# Altium PCB CSUEAF4 - 副本.PcbDoc
Units mil, origin at the board's own origin, x right, y up, seen from the top; angles counter-clockwise.
Board outline 3947.04 x 3947.04 mil, 2 copper layers (Top Layer, Bottom Layer); 84 components, 107 nets, 444 pads, 133 vias.
Unrouted connection lines stored in the file: 65.
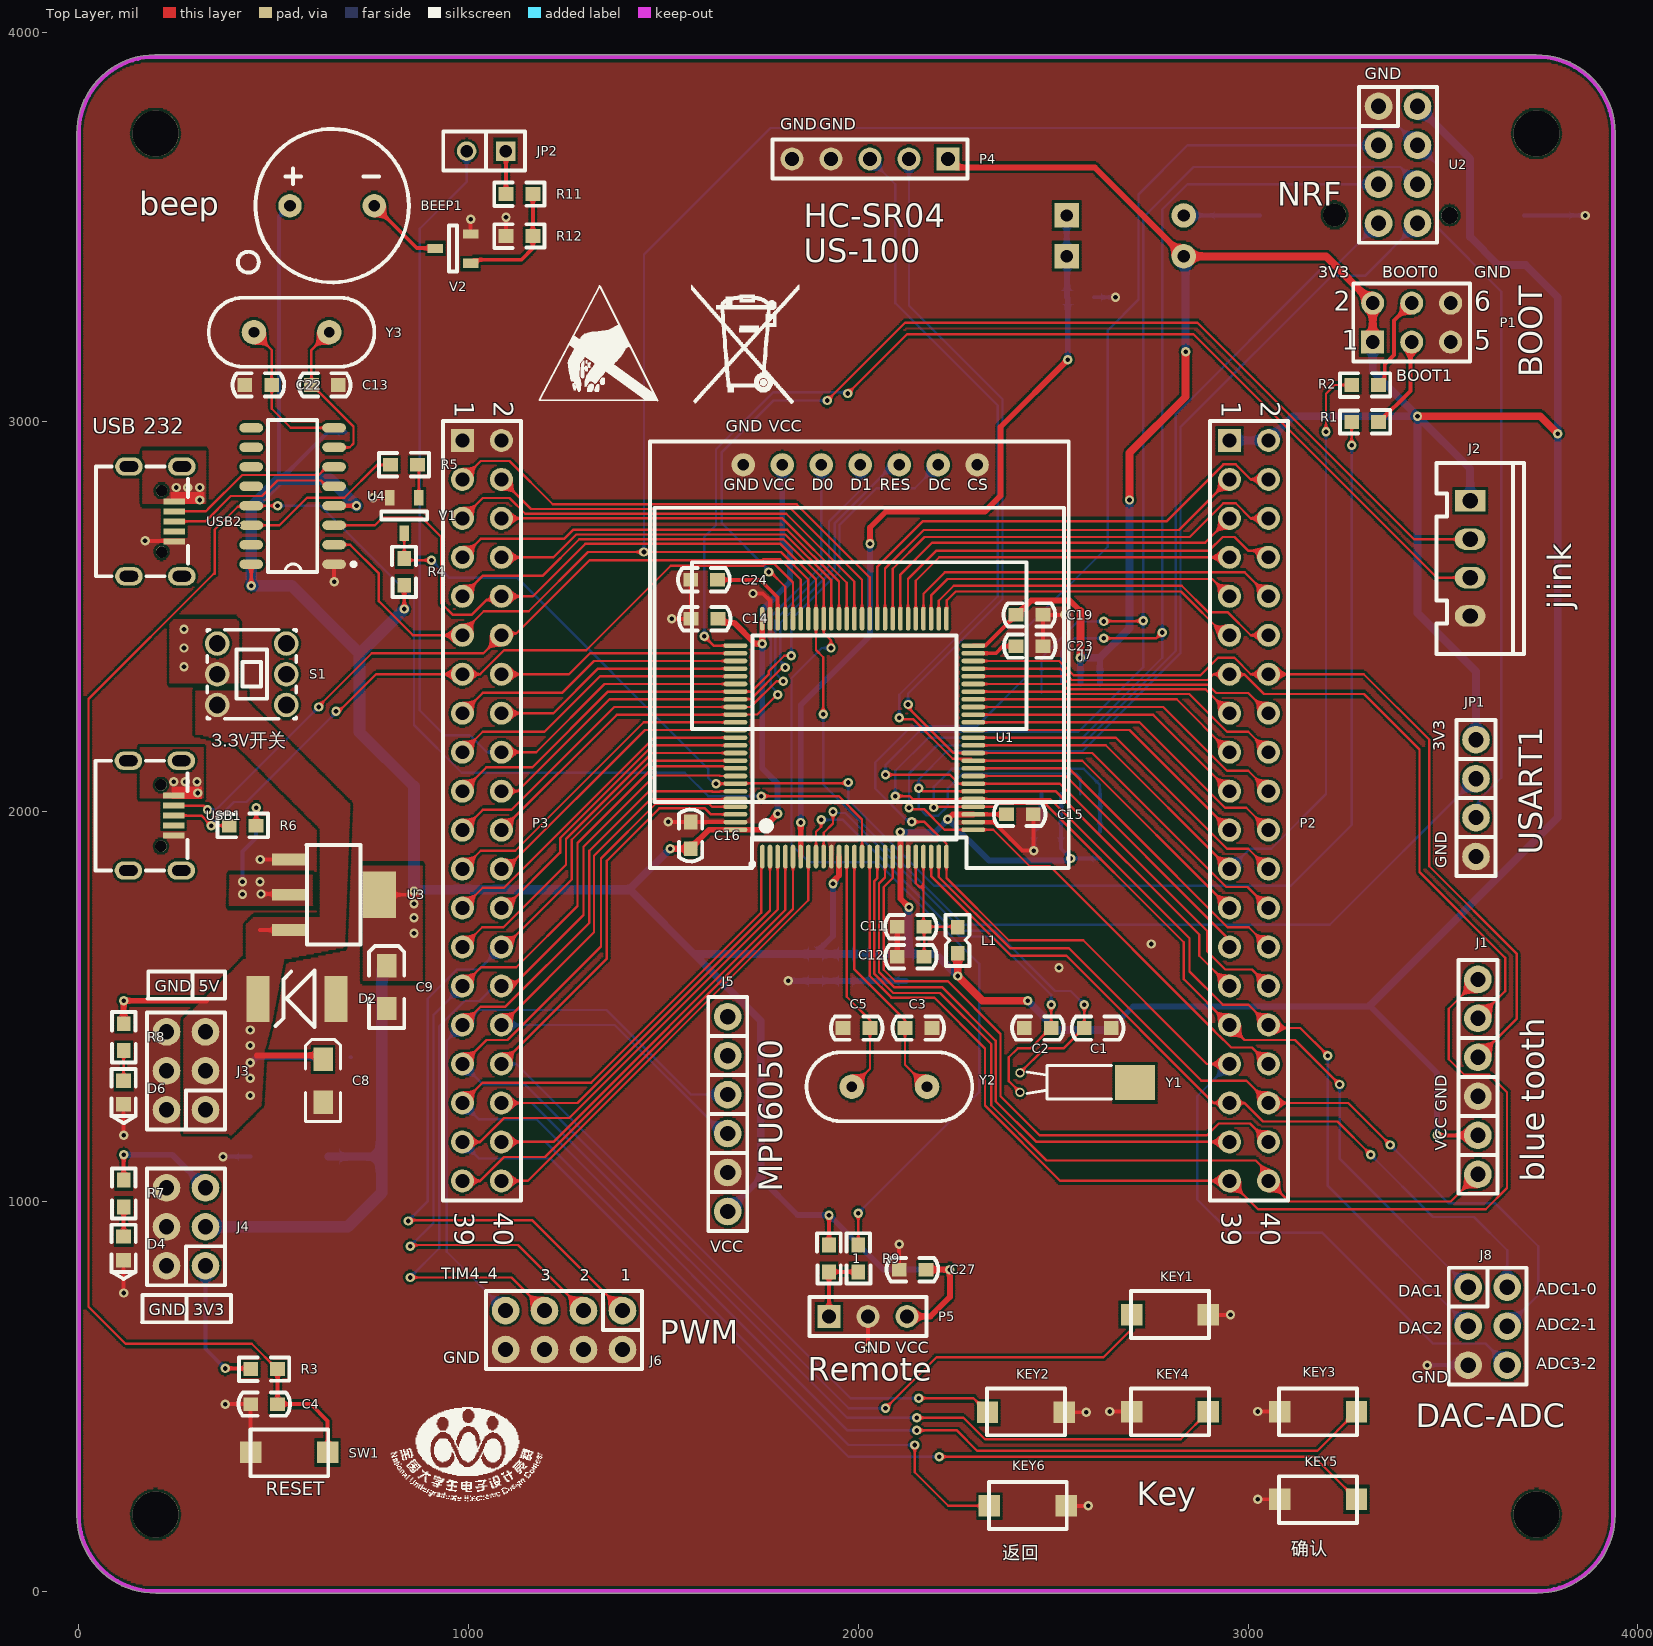
[diagram p0: Top Layer view]
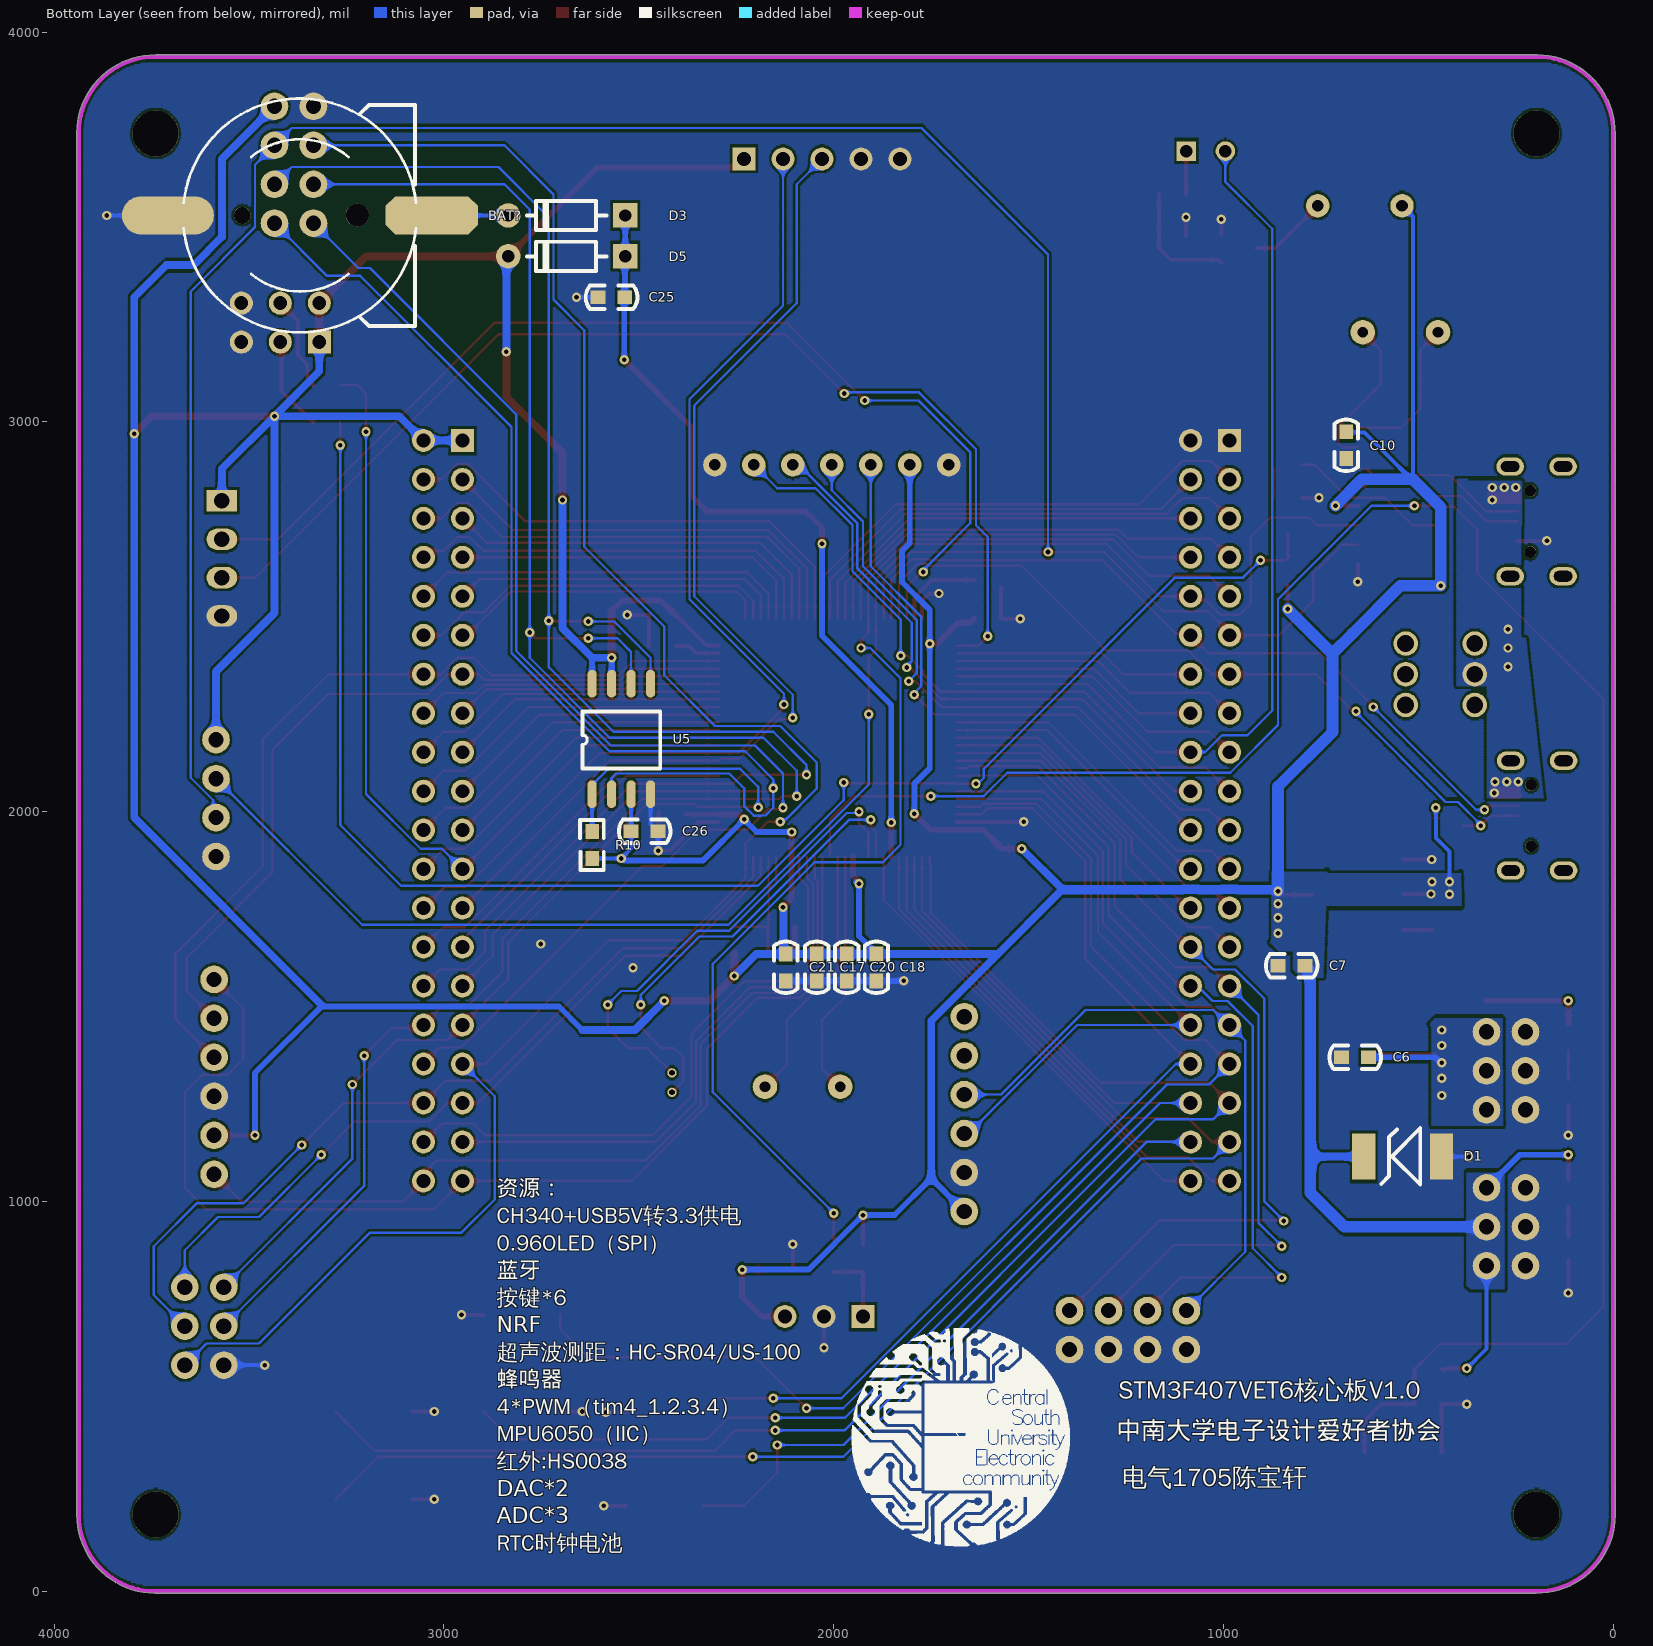
[diagram p1: Bottom Layer view, seen from below]
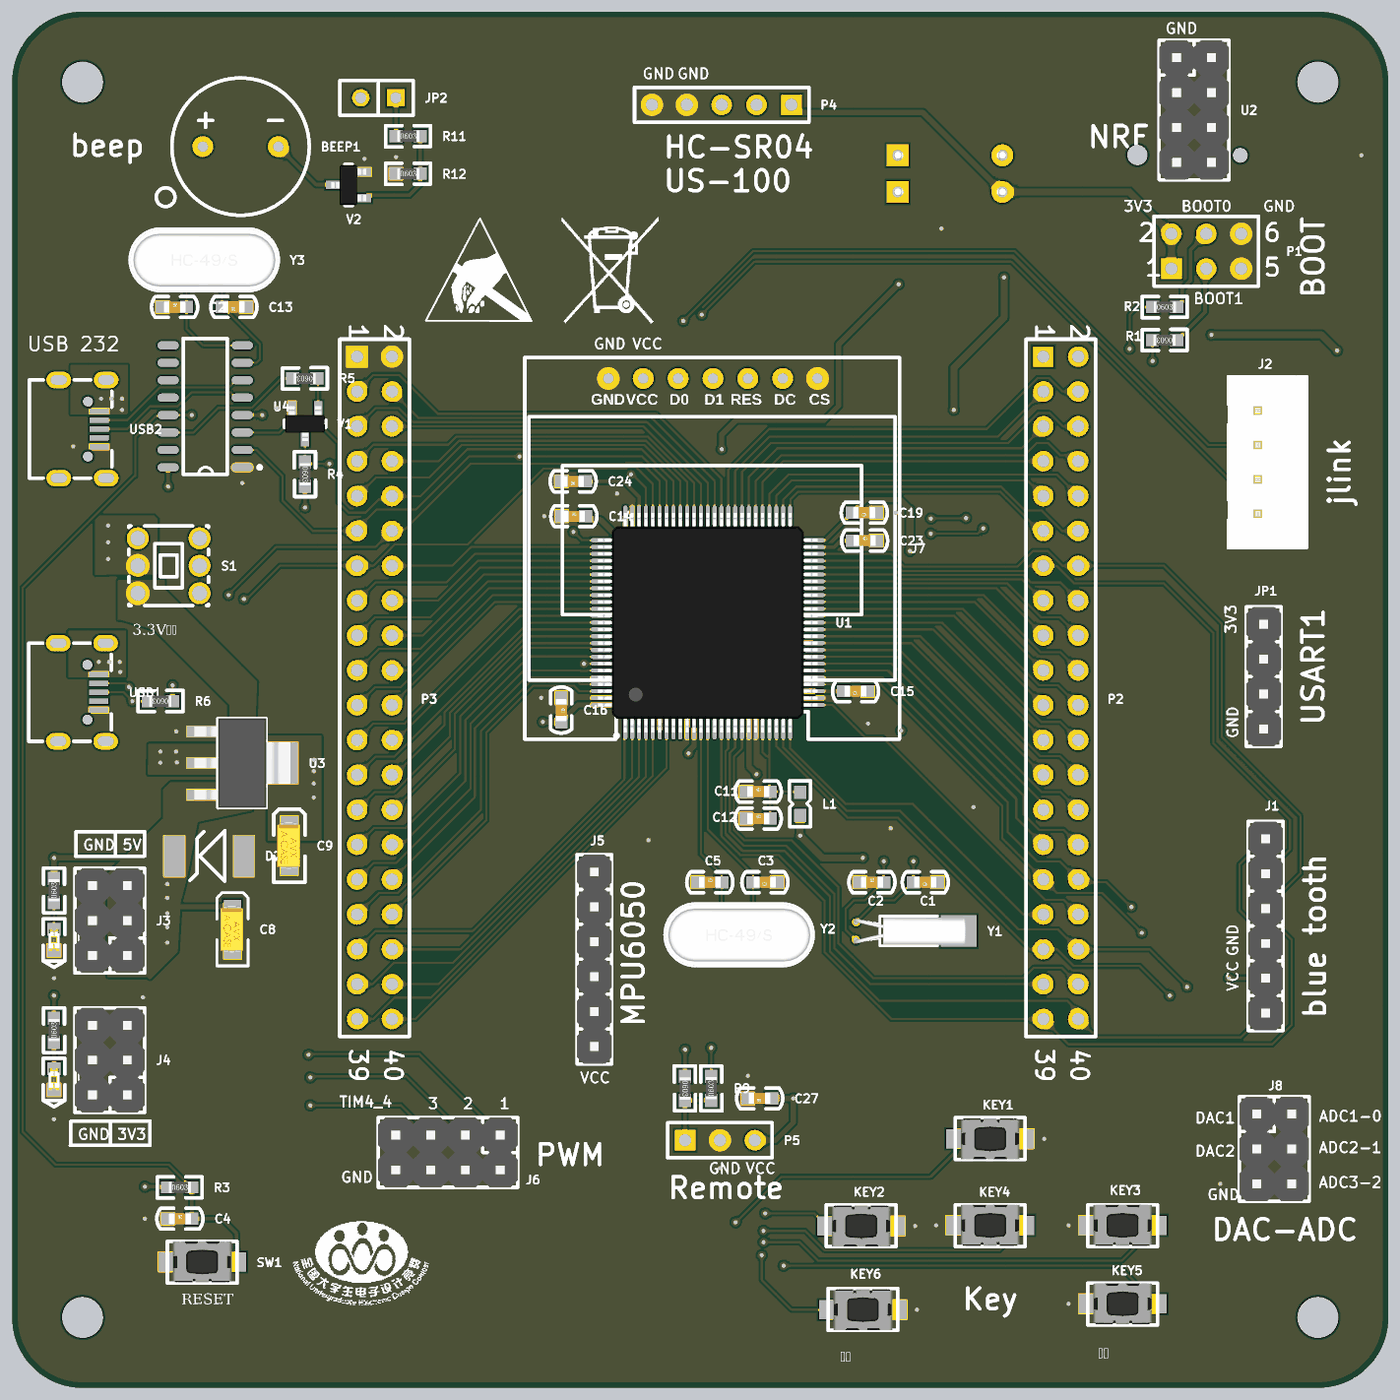
[diagram p2: 3D render of the assembled board from above, using the file's embedded part models]
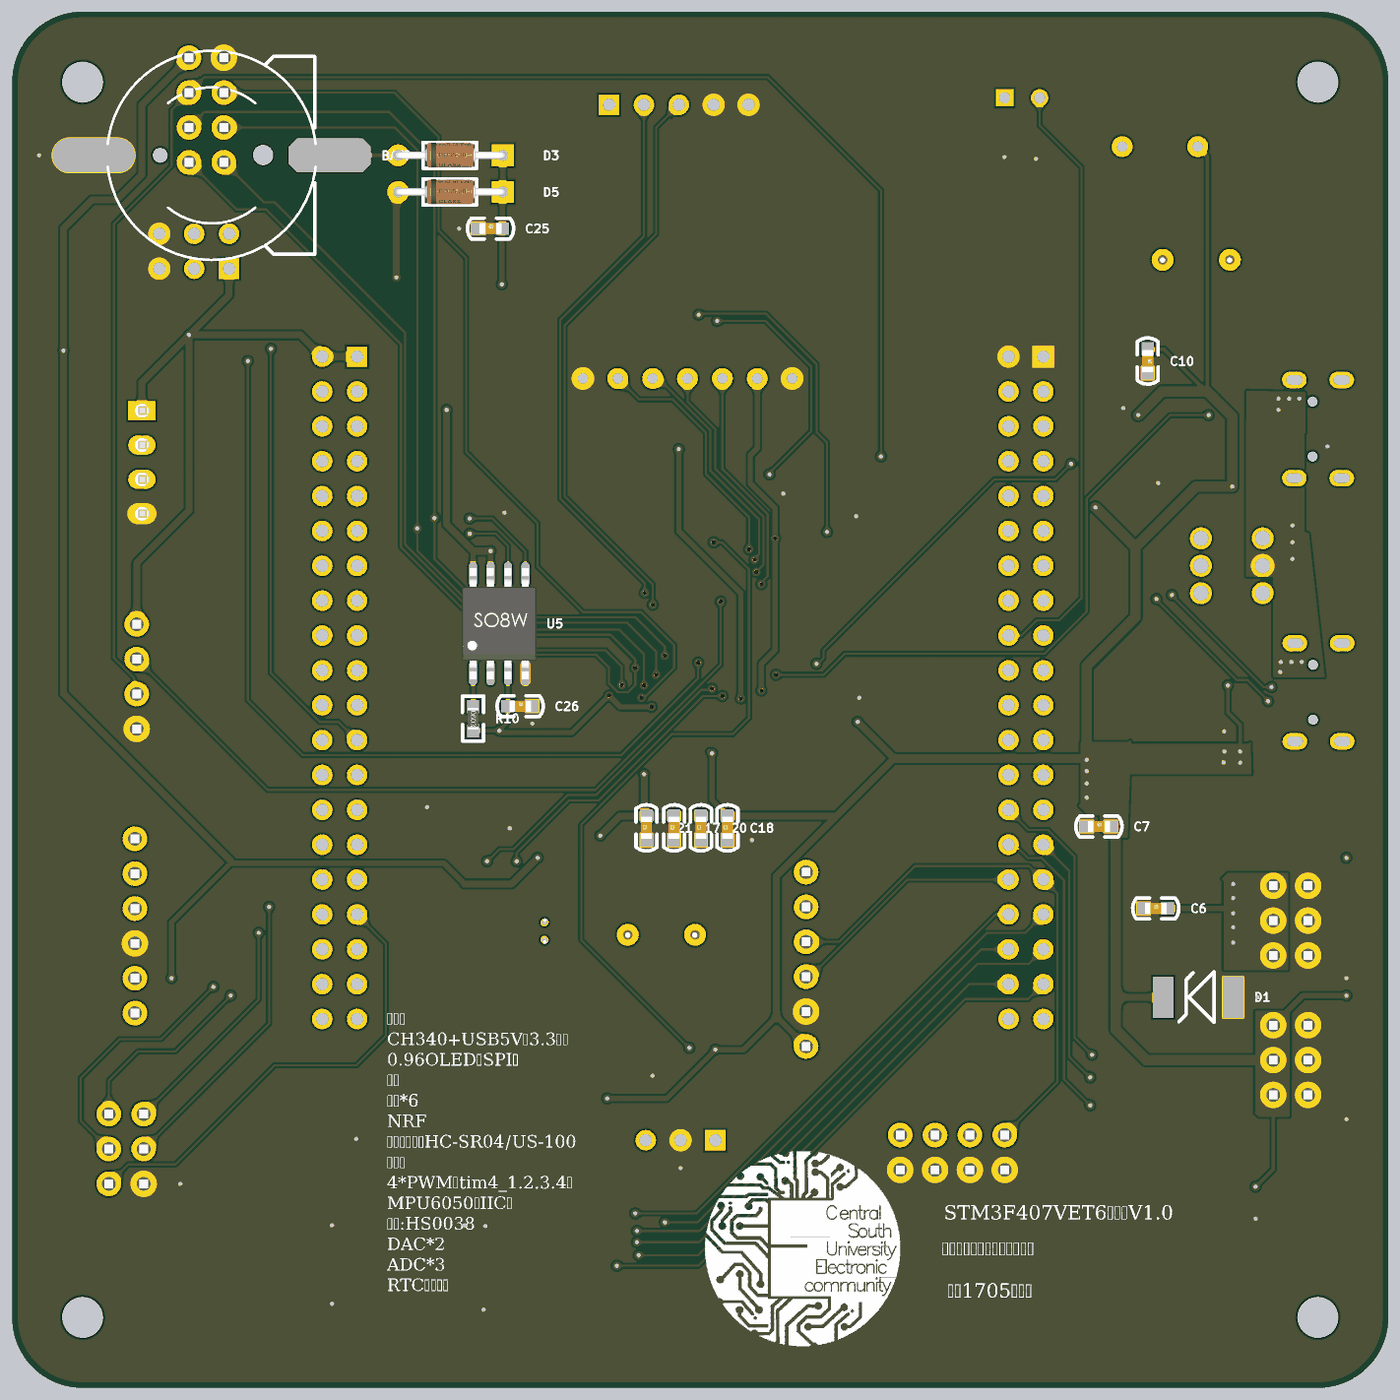
[diagram p3: 3D render of the assembled board from below, using the file's embedded part models]

## Layer stack, top to bottom
Top Solder: solder mask 0.4, Solder Resist, Dk 3.5
Top Layer: signal copper 1.4
Dielectric 1: dielectric 12.6, FR-4, Dk 4.8
Bottom Layer: signal copper 1.4
Bottom Solder: solder mask 0.4, Solder Resist, Dk 3.5

## Board outline
-5.01,194.97 cw(c0,195) -4.93,195.93 cw(c0,196.85) -5.01,196.85 -5.01,3739.98 cw(c196,3741) 194.97,3942.02 cw(c195,3937.01) 195.93,3941.94 cw(c196.85,3937.01) 196.85,3942.02 3739.98,3942.02 cw(c3741,3741) 3942.02,3742.03 cw(c3937.01,3742.01) 3942.02,3742.01 cw(c3937.01,3742.01) 3941.94,3741.08 cw(c3937.01,3740.16) 3942.02,3740.16 3942.02,197.03 ccw(c3741,196) 3942.02,197.03 cw(c3741,196) 3942.03,196 cw(c3741,196) 3742.03,-5.01 cw(c3742.01,0) 3741.08,-4.93 cw(c3740.16,0) 3740.16,-5.01 196.85,-5.01 197.03,-5.02 ccw(c197.01,0) 197.07,-5.01 197.03,-5.02 cw(c196,196)

## Design rules (kind name [scope] priority, off if disabled: settings)
Clearance ALL [All] p1: gap=6 ignorepadtopadclearanceinfootprint=FALSE
Clearance VIA-POLY [isvia vs inpolygon] p2: gap=6 ignorepadtopadclearanceinfootprint=FALSE
Clearance POLY [inpolygon] p3: gap=10 ignorepadtopadclearanceinfootprint=FALSE
PolygonConnect [InNetClass('POW')] p1: connectstyle=Direct reliefconductorwidth=18 reliefentries=4 polygonreliefangle="90 Angle" airgapwidth=10
RoutingVias [All] p1: holewidth=12 width=24 viastyle="Through Hole" minholewidth=12 minwidth=24 maxholewidth=12 maxwidth=24
SilkToSilkClearance [All] p1: silktosilkclearance=2
SilkToSolderMaskClearance [IsPad] p1: minsilkscreentomaskgap=2 clearancetoexposedcopper=TRUE
SolderMaskExpansion [All] p1: expansion=2.5
Width POW [InNetClass('POW')] p1: maxlimit=60 minlimit=15 preferedwidth=15
Width [All] p2: maxlimit=6 minlimit=6 preferedwidth=6
28 further rules are at their usual default settings.

## Classes and differential pairs
net class VCC: 3V3 5V VBAT VUSB
net class POW: 3V3 5V GND VBAT VUSB

## Components (designator, comment, footprint, x,y, rotation, side; value= is the part's Value field where it differs from the comment)
1 "电阻" R0603 1925,888.37 r270 top value=150R
BAT? "BATT" BATM 3370,3530 r90 bottom
BEEP1 "蜂鸣器" 蜂鸣器0905 650,3555 r0 top
C1 "15pF" C0603 2649,1445 r180 top value=22pF
C2 "15pF" C0603 2426,1445 r0 top value=22pF
C3 "22pF" C0603 2189,1445 r180 top
C4 "104" C0603 441,480 r0 top value=22pF
C5 "22pF" C0603 1961,1445 r0 top
C6 "电容104" C0603 696.91,1370 r180 bottom value=22pF
C7 "电容104" C0603 860,1605 r180 bottom value=22pF
C8 "电解电容106" 3216-ce 626.91,1365 r90 top value=100pF
C9 "钽电容106" 3216-ce 790,1605 r90 top value=100pF
C10 "104" C0603 685,2975 r270 bottom value=22pF
C11 "106" C0603 2100,1705 r0 top value=22pF
C12 "106" C0603 2100,1627.76 r0 top value=22pF
C13 "22pF" C0603 665.81,3095 r180 top
C14 "104" C0603 1571,2495 r0 top value=22pF
C15 "104" C0603 2449,1993.15 r180 top value=22pF
C16 "104" C0603 1569.78,1974 r270 top value=22pF
C17 "电容" C0603 2043.51,1566 r90 bottom value=22pF
C18 "104" C0603 1890.44,1566 r90 bottom value=22pF
C19 "104" C0603 2474,2505 r180 top value=22pF
C20 "104" C0603 1966.66,1566 r90 bottom value=22pF
C21 "104" C0603 2122.8,1566 r90 bottom value=22pF
C22 "22pF" C0603 425.81,3095 r0 top
C23 "225" C0603 2405,2425 r0 top value=22pF
C24 "225" C0603 1639,2595 r180 top value=22pF
C25 "104" C0603 2605,3320 r180 bottom value=22pF
C26 "104" C0603 2520,1950 r180 bottom value=22pF
C27 "104" C0603 2174,825 r180 top value=22pF
D1 "SMBJ3.3A" SMBJ 535,1115 r0 bottom
D2 "SMBJ5.0A" SMBJ 565,1520 r180 top
D3 "1N4148" DO-35 2685,3530 r180 bottom
D4 "LED" "LED 0603G" 115,879.68 r90 top
D5 "1N4148" DO-35 2685,3425 r180 bottom
D6 "LED" "LED 0603G" 115,1279.68 r90 top
J1 "SIP-6" 2.54排针1X6 3590,1369.69 r90 top
J2 "SIP-4" 2.54XH接插件4P 3570,2797.52 r270 top
J3 "PIN-6" 2.54排针2X3 325,1235 r90 top
J4 "PIN-6" 2.54排针2X3 325,835 r90 top
J5 "MPU6050" 2.54排针1X6 1665,1174.23 r270 top
J6 "TIM4_1234" 2.54排针2X4#1 1395,720 r180 top
J7 "0.96OLED" "OLED 0.96-SPI _无定位孔" 1705,2890 r0 top
J8 "DAC_ADC" 2.54排针2X3 3565,780 r270 top
JP1 "SIP-4" 2.54排针1X4 3585,1885 r270 top
JP2 "JX2" SIP2 1095,3695 r180 top
KEY1 "SW" 按键微动开关2 2800,710 r0 top
KEY2 "SW" 按键微动开关2 2430,460 r0 top
KEY3 "SW" 按键微动开关2 3180,460 r180 top
KEY4 "SW" 按键微动开关2 2800,460 r180 top
KEY5 "SW" 按键微动开关2 3180,235 r180 top
KEY6 "SW" 按键微动开关2 2435,220 r0 top
L1 "10uH" L0603 2255,1675.55 r270 top
P1 "Header 3X2" HDR2X3 3320,3205 r0 top
P2 "Header 20X2" HDR2X20 2952.76,2952.76 r270 top
P3 "Header 20X2" HDR2X20 984.25,2952.76 r270 top
P4 "HC-SR04/US-100" HDR1X5 2230,3675 r180 top
P5 "HS0038" HDR1X3 1925,705 r0 top
R1 "10K" R0603 3335,3000 r180 top value=150R
R2 "10K" R0603 3266,3095 r0 top value=150R
R3 "10K" R0603 441,570 r0 top value=150R
R4 "10K" R0603 835,2650 r270 top value=150R
R5 "4.7K" R0603 869,2890 r180 top value=150R
R6 "1K" R0603 455,1964.41 r180 top value=150R
R7 "330" R0603 115,986 r90 top value=150R
R8 "1K" R0603 115,1387 r90 top value=150R
R9 "1K" R0603 2000,819.37 r90 top value=150R
R10 "10K" R0603 2620,1949 r270 bottom value=150R
R11 "4.7K" R0603 1096,3585 r0 top value=150R
R12 "10K" R0603 1096,3477.4 r0 top value=150R
S1 "SWITCH-6" 自锁开关 442.4,2352.76 r270 top
SW1 "SW" 按键微动开关2 540,355 r180 top
U1 "STM32F407VET6" LQFP100 1990,2190 r90 top
U2 "NRF24L01" 2.54排针2X4#2 3335,3810 r270 top
U3 "AMS1117-3V3" SOT223 655,1786.95 r270 top
U4 "CH340G" SOIC16 655,2635 r180 top
U5 "W25Q80BL" W25Q-SO8 2620,2045 r90 bottom
USB1 "USB" MICRO-USB-5P4脚 138.59,1990 r270 top
USB2 "USB" MICRO-USB-5P4脚 140,2745 r270 top
V1 "NPN" SOT-23 835,2760 r180 top
V2 "NPN" SOT-23 960,3445 r90 top
Y1 "32KHz" OSC-2x6-WI-B 2405,1305 r270 top
Y2 "8MHz" OSC-HC-49S 2080,1294.29 r0 top
Y3 "12MHz" OSC-HC-49S 545.81,3230.32 r0 top

## Footprints (in the part's own frame and the unit in brackets; to place one, negate y for a bottom-side part, rotate by r counter-clockwise, add the part's x,y. Pads: shape width x height; smd on the part's side, far side on the other; paste and mask are expansions set on the pad)
2.54XH接插件4P [mm]
  rect 1.4x2 hole 1: 1(0,0)
  oval 1.4x2 hole 1: 2(2.5,0) 3(5,0) 4(7.5,0)
  silkscreen extent -2.48,-2.2 9.98,3.5, body extent -2.5,-2.25 10,3.45, height 7
2.54排针1X4 [mm]
  round 1.8 hole 1: 1(-7.62,0) 2(-5.08,0) 3(-2.54,0) 4(0,0)
  silkscreen extent -8.89,-1.27 1.27,1.27, body extent -8.89,-1.27 1.27,1.27, height 2.5
2.54排针1X6 [mm]
  round 1.8 hole 1: 1(-7.62,0) 2(-5.08,0) 3(-2.54,0) 4(0,0) 5(2.54,0) 6(5.08,0)
  silkscreen extent -8.89,-1.27 6.35,1.27, body extent -8.89,-1.27 6.35,1.27, height 2.5
2.54排针2X3 [mm]
  round 1.8 hole 1: 1(0,0) 2(0,2.54) 3(2.54,0) 4(2.54,2.54) 5(5.08,0) 6(5.08,2.54)
  silkscreen extent -1.27,-1.27 6.35,3.81, body extent -1.27,-1.27 6.35,3.81, height 2.5
2.54排针2X4#1 [mm]
  round 1.8 hole 1: 1(0,0) 2(0,2.54) 3(2.54,0) 4(2.54,2.54) 5(5.08,0) 6(5.08,2.54) 7(7.62,0) 8(7.62,2.54)
  silkscreen extent -1.27,-1.27 8.89,3.81, body extent -1.27,-1.27 8.89,3.81, height 2.5
2.54排针2X4#2 [mm]
  round 1.8 hole 1: 1(0,0) 2(0,2.54) 3(2.54,0) 4(2.54,2.54) 5(5.08,0) 6(5.08,2.54) 7(7.62,2.54) 8(7.62,0)
  silkscreen extent -1.27,-1.27 8.89,3.81, body extent -1.27,-1.27 8.89,3.81, height 2.5
3216-ce [mil]
  rect 60x50 smd: 1(0,0) 2(-110,0)
  silkscreen extent -160,-45 50,45, body extent -122,-31 12,35, height 67
BATM [mm]
  round 1.1 hole 1.1 unplated: 0(0,3.748)
  round 1.5 hole 1.5 unplated: 0(0.025,-3.752)
  oct 2.5x6 smd: 1(0,-8.602)
  oval 2.5x6 smd: 2(0,8.598)
  silkscreen extent -7.62,-7.58 7.62,7.57
C0603 [mil]
  rect 38x35 smd: 1(0,0) 2(69,0)
  silkscreen extent -31,-30 101,30, body extent 4,-16 67,16, height 12
DO-35 [mm]
  rect 1.6x1.6 hole 0.8: 1(3.81,0)
  round 1.6 hole 0.8: 2(-3.81,0)
  silkscreen extent -2.6,-0.95 2.6,0.95, body extent -4.1,-0.89 4.07,0.91, height 1.92
HDR1X3 [mm] "Connector; Header; 3 Position"
  rect 1.5x1.5 hole 0.9: 1(0,0)
  round 1.5 hole 0.9: 2(2.54,0) 3(5.08,0)
  silkscreen extent -1.27,-1.27 6.35,1.27
HDR1X5 [mm]
  rect 1.5x1.5 hole 0.9: 1(0,0)
  round 1.5 hole 0.9: 2(2.54,0) 3(5.08,0) 4(7.62,0) 5(10.16,0)
  silkscreen extent -1.27,-1.27 11.43,1.27
HDR2X3 [mm] "Connector; Header; 3x2 Position"
  rect 1.5x1.5 hole 0.9: 1(0,0)
  round 1.5 hole 0.9: 2(0,2.54) 3(2.54,0) 4(2.54,2.54) 5(5.08,0) 6(5.08,2.54)
  silkscreen extent -1.27,-1.27 6.35,3.81
HDR2X20 [mm] "Connector; Header; 20x2 Position"
  rect 1.5x1.5 hole 0.9: 1(0,0)
  round 1.5 hole 0.9: 2(0,2.54) 3(2.54,0) 4(2.54,2.54) 5(5.08,0) 6(5.08,2.54) 7(7.62,0) 8(7.62,2.54) 9(10.16,0) 10(10.16,2.54) 11(12.7,0) 12(12.7,2.54) 13(15.24,0) 14(15.24,2.54) 15(17.78,0) 16(17.78,2.54) 17(20.32,0) 18(20.32,2.54) 19(22.86,0) 20(22.86,2.54) 21(25.4,0) 22(25.4,2.54) 23(27.94,0) 24(27.94,2.54) 25(30.48,0) 26(30.48,2.54) 27(33.02,0) 28(33.02,2.54) 29(35.56,0) 30(35.56,2.54) 31(38.1,0) 32(38.1,2.54) 33(40.64,0) 34(40.64,2.54) 35(43.18,0) 36(43.18,2.54) 37(45.72,0) 38(45.72,2.54) 39(48.26,0) 40(48.26,2.54)
  silkscreen extent -1.27,-1.27 49.53,3.81
L0603 [mil]
  rect 38x35 smd: 1(-28,0) 2(38.87,0)
  silkscreen extent -60,-31 71,30, body extent -24,-15 36,15, height 20
"LED 0603G" [mm] "绿色0603LED"
  rect 0.93x0.98 smd: A(0.77,0) K(-0.77,0)
  silkscreen extent -2,-0.79 1.53,0.79, body extent -0.8,-0.4 0.8,0.4, height 0.61
LQFP100 [mm] "100-pin low-profile quad flat"
  oval 1.55x0.3 smd: 1(-7.75,6) 2(-7.75,5.5) 3(-7.75,5) 4(-7.75,4.5) 5(-7.75,4) 6(-7.75,3.5) 7(-7.75,3) 8(-7.75,2.5) 9(-7.75,2) 10(-7.75,1.5) 11(-7.75,1) 12(-7.75,0.5) 13(-7.75,0) 14(-7.75,-0.5) 15(-7.75,-1) 16(-7.75,-1.5) 17(-7.75,-2) 18(-7.75,-2.5) 19(-7.75,-3) 20(-7.75,-3.5) 21(-7.75,-4) 22(-7.75,-4.5) 23(-7.75,-5) 24(-7.75,-5.5) 25(-7.75,-6) 51(7.75,-6) 52(7.75,-5.5) 53(7.75,-5) 54(7.75,-4.5) 55(7.75,-4) 56(7.75,-3.5) 57(7.75,-3) 58(7.75,-2.5) 59(7.75,-2) 60(7.75,-1.5) 61(7.75,-1) 62(7.75,-0.5) 63(7.75,0) 64(7.75,0.5) 65(7.75,1) 66(7.75,1.5) 67(7.75,2) 68(7.75,2.5) 69(7.75,3) 70(7.75,3.5) 71(7.75,4) 72(7.75,4.5) 73(7.75,5) 74(7.75,5.5) 75(7.75,6)
  oval 0.3x1.55 smd: 26(-6,-7.75) 27(-5.5,-7.75) 28(-5,-7.75) 29(-4.5,-7.75) 30(-4,-7.75) 31(-3.5,-7.75) 32(-3,-7.75) 33(-2.5,-7.75) 34(-2,-7.75) 35(-1.5,-7.75) 36(-1,-7.75) 37(-0.5,-7.75) 38(0,-7.75) 39(0.5,-7.75) 40(1,-7.75) 41(1.5,-7.75) 42(2,-7.75) 43(2.5,-7.75) 44(3,-7.75) 45(3.5,-7.75) 46(4,-7.75) 47(4.5,-7.75) 48(5,-7.75) 49(5.5,-7.75) 50(6,-7.75) 76(6,7.75) 77(5.5,7.75) 78(5,7.75) 79(4.5,7.75) 80(4,7.75) 81(3.5,7.75) 82(3,7.75) 83(2.5,7.75) 84(2,7.75) 85(1.5,7.75) 86(1,7.75) 87(0.5,7.75) 88(0,7.75) 89(-0.5,7.75) 90(-1,7.75) 91(-1.5,7.75) 92(-2,7.75) 93(-2.5,7.75) 94(-3,7.75) 95(-3.5,7.75) 96(-4,7.75) 97(-4.5,7.75) 98(-5,7.75) 99(-5.5,7.75) 100(-6,7.75)
  silkscreen extent -8.37,-6.65 6.65,6.77, body extent -8,-8 8,8, height 1.6
MICRO-USB-5P4脚 [mm]
  rect 0.4x1.4 smd: 1(-1.3,2.66) 2(-0.65,2.66) 3(0,2.66) 4(0.65,2.66) 5(1.3,2.66)
  oval 1.2x1.8 hole 0.7 slot 1.2 at 90 deg: 6(-3.575,3.16) 6(-3.575,-0.29) 6(3.575,3.16) 6(3.575,-0.29)
  round 0.75 hole 0.75 unplated: ""(-2,1.835) ""(2,1.835)
  silkscreen extent -3.57,-2.44 3.57,3.57
"OLED 0.96-SPI _无定位孔" [mil]
  round 60 hole 30: 1(0,0) 2(100,0) 3(200,0) 4(300,0) 5(400,0) 6(500,0) 7(600,0)
  silkscreen extent -240,-1034 835,60, body extent -228,-1036 824,61, height 334
OSC-2x6-WI-B [mm] "脚距：1.6mm"
  round 0.6 hole 0.36: 1(0.635,0.254) 2(-0.635,0.254)
  rect 2.3x2.6 smd: 3(0,7.747)
  silkscreen extent -1.1,0.7 1.07,6.2, body extent -1,0.1 1,8.25, height 2.05
OSC-HC-49S [mm]
  round 1.6 hole 0.7: 1(-2.45,0) 2(2.45,0)
  silkscreen extent -5.39,-2.25 5.39,2.25, body extent -5.39,-2.27 5.41,2.23, height 3.6
R0603 [mil] "1/10W"
  rect 38x35 smd: 1(0,0) 2(69,0)
  silkscreen extent -30,-31 99,30, body extent 4,-16 66,16, height 18
SIP2 [mil]
  rect 50x50 hole 32: 1(0,0)
  round 50 hole 32: 2(100,0)
  silkscreen extent -50,-50 160,50
SMBJ [mm]
  rect 1.5x3 smd: 1(-2.413,0) 2(2.667,0)
  silkscreen extent -1.02,-1.85 1.52,1.83
SOIC16 [mm] "SOIC16-39MM"
  oval 1.55x0.6 smd: 1(0,0) 2(0,-1.27) 3(0,-2.54) 4(0,-3.81) 5(0,-5.08) 6(0,-6.35) 7(0,-7.62) 8(0,-8.89) 9(5.4,-8.89) 10(5.4,-7.62) 11(5.4,-6.35) 12(5.4,-5.08) 13(5.4,-3.81) 14(5.4,-2.54) 15(5.4,-1.27) 16(5.4,0)
  silkscreen extent -1.39,-9.4 4.3,0.51
SOT223 [mm]
  rect 0.76x2.2 smd: 1(-2.3,-2.95) 2(0,-2.95) 3(2.3,-2.95)
  rect 3x2.2 smd: 2(0,2.95)
  silkscreen extent -3.25,-1.8 3.26,1.73, body extent -3.25,-3.5 3.25,3.5, height 1.69
SOT-23 [mm] "SOT-23-3"
  rect 0.6x1 smd: 1(-0.95,-1.15) 2(0.95,-1.15) 3(0,1.15)
  silkscreen extent -1.5,-0.27 1.5,0.27, body extent -1.46,-1.28 1.46,1.27, height 0.99
W25Q-SO8 [mm]
  oval 1.8x0.6 smd: 1(0,0) 2(0,-1.27) 3(0,-2.54) 4(0,-3.81) 5(7.2,-3.81) 6(7.2,-2.54) 7(7.2,-1.27) 8(7.2,0)
  silkscreen extent 1.69,-4.44 5.4,0.63, body extent -0.45,-4.63 7.65,0.83, height 1.75
按键微动开关2 [mm]
  rect 1.4x1.4 smd: 1(-2.5,-0.024) 2(2.5,-0.024)
  silkscreen extent -2.54,-1.52 2.54,1.52, body extent -2.5,-1.52 2.5,1.48, height 2.1
自锁开关 [mm] "PB12E06371， GANGYUAN(港源)"
  round 1.6 hole 1.1: 1(-2,-2.214) 2(0,-2.214) 3(2,-2.214) 4(-2,2.286) 5(0,2.286) 6(2,2.286)
  silkscreen extent -2.9,-2.86 2.9,2.94
蜂鸣器0905 [mil]
  round 60 hole 30: 1(-108.27,0) 2(108.27,0)
  silkscreen extent -242,-197 197,197

## Part data
1: "Resistor", LatestRevisionDate=17-Jul-2002, LatestRevisionNote="Re-released for DXP Platform.", PackageDescription="Axial Device, Thru-Hole; 2 Leads; 0.3 in Pin Spacing", PackageReference=AXIAL-0.3, Published=8-Jun-2000, Publisher="Altium Limited"
BAT?: library part BAT
C1 C2 C3 C4 C5 C6 C7 C10 C11 C12 C13 C14 C15 C16 C18 C19 C20 C21 C22 C23 C24 C25 C26 C27: library part 电容, "Capacitor", LatestRevisionDate=17-Jul-2002, LatestRevisionNote="Re-released for DXP Platform.", PackageDescription="Radial Cap, Thru-Hole; 2 Leads; 0.3 in Pin Spacing", PackageReference=RAD-0.3, Published=8-Jun-2000, Publisher="Altium Limited"
C8 C9: library part 电解电容, "Polarized Capacitor (Axial)", LatestRevisionDate=17-Jul-2002, LatestRevisionNote="Re-released for DXP Platform.", PackageDescription="Polarized Capacitor; 2 Leads", PackageReference=POLAR0.8, Published=8-Jun-2000, Publisher="Altium Limited"
C17: "Capacitor", LatestRevisionDate=17-Jul-2002, LatestRevisionNote="Re-released for DXP Platform.", PackageDescription="Radial Cap, Thru-Hole; 2 Leads; 0.3 in Pin Spacing", PackageReference=RAD-0.3, Published=8-Jun-2000, Publisher="Altium Limited"
D1 D2: library part SMBJ, "TVS"
D3 D5: "开关二极管"
J6: library part PIN-8
J7: library part OLED_SPI
J8: library part PIN-6
JP2: "Connector"
KEY1 KEY2 KEY3 KEY4 KEY5 KEY6 SW1: library part Switch, "Single-Pole, Single-Throw Switch"
L1: library part 磁珠
P1: "Header, 3-Pin, Dual row", LatestRevisionDate=17-Jul-2002, LatestRevisionNote="Re-released for DXP Platform.", Publisher="Altium Limited"
P2 P3: "Header, 20-Pin, Dual row", LatestRevisionDate=17-Jul-2002, LatestRevisionNote="Re-released for DXP Platform.", Publisher="Altium Limited"
P4: "超声波测距模块"
P5: library part "Header 3", "Header, 3-Pin", LatestRevisionDate=17-Jul-2002, LatestRevisionNote="Re-released for DXP Platform.", Publisher="Altium Limited"
R1 R2 R3 R4 R5 R6 R7 R8 R9 R10 R11 R12: library part 电阻, "Resistor", LatestRevisionDate=17-Jul-2002, LatestRevisionNote="Re-released for DXP Platform.", PackageDescription="Axial Device, Thru-Hole; 2 Leads; 0.3 in Pin Spacing", PackageReference=AXIAL-0.3, Published=8-Jun-2000, Publisher="Altium Limited"
S1: "自锁开关"
U1: BOM_LCSC Assembly=Yes, BOM_Manufacturer=STMicroelectronics, BOM_Manufacturer Part=STM32F407VET6, BOM_Supplier=LCSC, BOM_Supplier Part=C28730, image=//image.lceda.cn/szlcsc/C28730.jpg, SMT Type=Basic, spicePre=U
U2: "NRF24L01模块排母"
U3: library part 三端稳压, "三端稳压芯片", BOM名称=ÎÈÑ, 学习资源=www.ooocke.
V1 V2: "NPN Bipolar Transistor", Code_JEDEC=TO-226-AA, LatestRevisionDate=17-Jul-2002, LatestRevisionNote="Re-released for DXP Platform.", PackageDescription="TO, Flat Index; 3 In-Line, Axial Leads; Body Dia. 4.8mm; Leads 0.55 x 0.51 mm (max)", PackageReference=TO-226-AA, Published=8-Jun-2000, Publisher="Altium Limited"
Y1 Y2 Y3: library part XTAL, "Crystal Oscillator", LatestRevisionDate=17-Jul-2002, LatestRevisionNote="Re-released for DXP Platform.", PackageDescription="Crystal, Thru-Hole; 2 Leads; Body 3.1 x 8.2 mm (Dia.xH)", PackageReference=R38, Published=8-Jun-2000, Publisher="Altium Limited"

## Free pads (board coordinates)
  round 118.11 hole 118.11 unplated: 1(196.85,3740.16) 2(3740.16,3740.16) 3(3740.16,196.85) 4(196.85,196.85)